# KiCad board nyx.kicad_pcb
title: Nyx; date: 2023-06-05; rev: 1; note: Copyright © 2023 HorrorTroll; note: GPL2 License
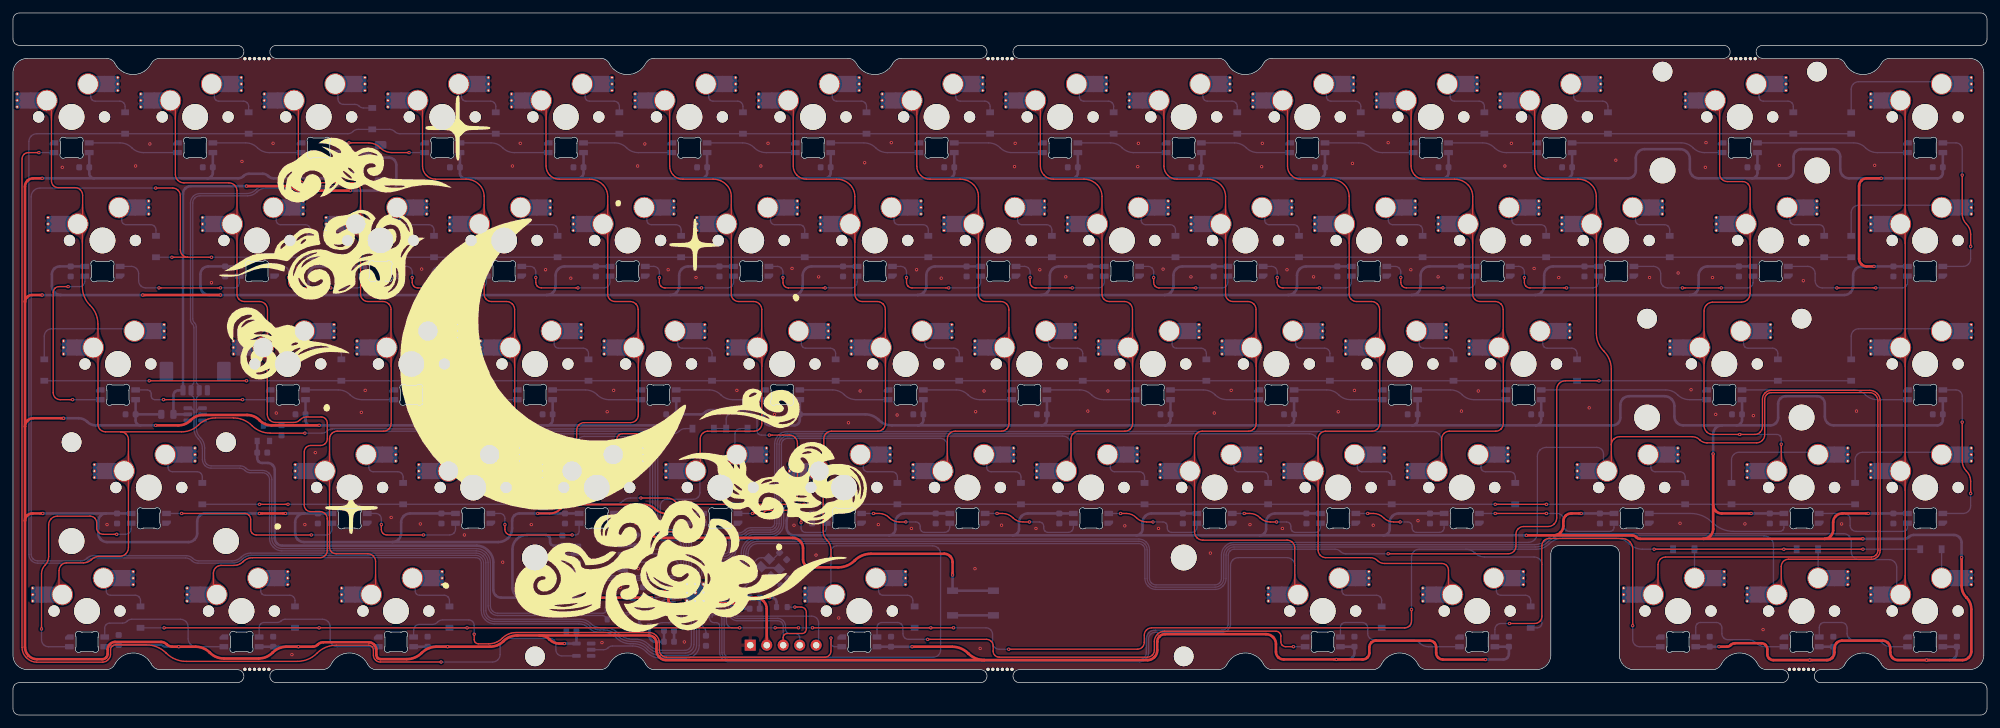
[diagram p0: board, top side]
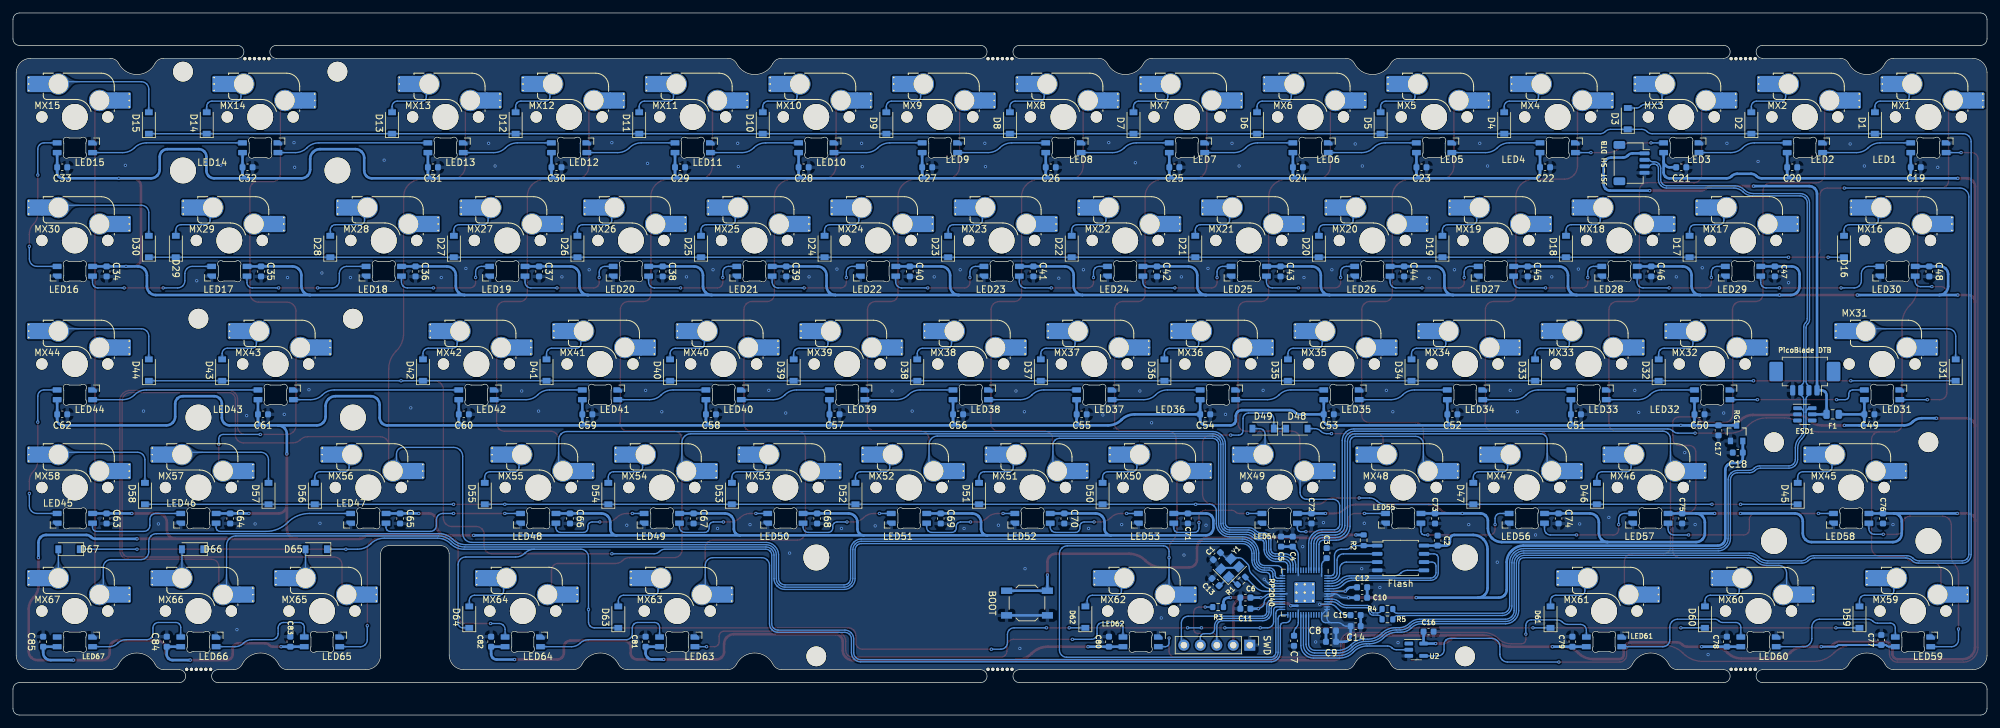
[diagram p1: board, bottom side, seen from below]

Outline 304.32 x 108.27 mm; copper layers: Top, Bottom. Coordinates in mm from the lower left corner of the outline.
Outline path: 34.6,5 1,5 arc(0.29,4.71) 0,4 0,1 arc(0.29,0.29) 1,0 303.32,0 arc(304.03,0.29) 304.32,1 304.32,4 arc(304.03,4.71) 303.32,5 278.7,5 ; 34.6,103.27 1,103.27 arc(0.29,103.57) 0,104.27 0,107.27 arc(0.29,107.98) 1,108.27 303.32,108.27 arc(304.03,107.98) 304.32,107.27 304.32,104.27 arc(304.03,103.57) 303.32,103.27 269.72,103.27 ; 34.6,101.27 22.65,101.27 arc(21.87,101.06) 21.32,100.47 arc(18.52,98.77) 15.73,100.47 arc(15.18,101.06) 14.4,101.27 2.22,101.27 arc(0.65,100.62) 0,99.05 0,9.22 arc(0.65,7.65) 2.22,7 14.4,7 arc(15.19,7.25) 15.73,7.88 arc(18.52,9.57) 21.32,7.88 arc(21.86,7.25) 22.65,7 34.6,7 ; 40.6,101.27 90.6,101.27 arc(91.38,101.06) 91.93,100.47 arc(94.72,98.77) 97.52,100.47 arc(98.07,101.06) 98.85,101.27 128.7,101.27 arc(129.48,101.06) 130.03,100.47 arc(132.83,98.77) 135.62,100.47 arc(136.17,101.06) 136.95,101.27 149.16,101.27 ; 40.6,7 47.74,7 arc(48.53,7.25) 49.07,7.88 arc(51.86,9.57) 54.66,7.88 arc(55.2,7.25) 55.99,7 90.6,7 arc(91.39,7.25) 91.93,7.88 arc(94.72,9.57) 97.52,7.88 arc(98.06,7.25) 98.85,7 149.16,7 ; 40.6,5 149.16,5 ; 149.16,103.27 40.6,103.27 ; 155.16,103.27 263.72,103.27 ; 155.16,101.27 185.85,101.27 arc(186.63,101.06) 187.18,100.47 arc(189.97,98.77) 192.77,100.47 arc(193.32,101.06) 194.1,101.27 263.72,101.27 ; 155.16,7 185.85,7 arc(186.64,7.25) 187.18,7.88 arc(189.97,9.57) 192.77,7.88 arc(193.31,7.25) 194.1,7 209.66,7 arc(210.45,7.25) 211,7.88 arc(213.79,9.57) 216.58,7.88 arc(217.12,7.25) 217.91,7 234.82,7 arc(236.42,7.66) 237.07,9.25 237.07,24.87 arc(237.44,25.76) 238.32,26.12 246.4,26.12 arc(247.28,25.76) 247.65,24.87 247.65,9.25 arc(248.31,7.66) 249.9,7 262.05,7 arc(262.84,7.25) 263.38,7.88 arc(266.17,9.57) 268.97,7.88 arc(269.51,7.25) 270.3,7 272.7,7 ; 155.16,5 272.7,5 ; 269.72,101.27 281.1,101.27 arc(281.88,101.06) 282.43,100.47 arc(285.23,98.77) 288.02,100.47 arc(288.57,101.06) 289.35,101.27 301.6,101.27 arc(303.17,100.62) 303.82,99.05 303.82,9.22 arc(303.17,7.65) 301.6,7 289.35,7 arc(288.56,7.25) 288.02,7.88 arc(285.23,9.57) 282.43,7.88 arc(281.89,7.25) 281.1,7 278.7,7
Stack: Top 0.035mm / dielectric 1.51mm FR4 er 4.5 / Bottom 0.035mm

## Placement (name value [footprint] x y rotation side)
C1  22p  [C_0603_1608Metric]  118.73 24.5 315 bottom
C2  100n  [C_0603_1608Metric]  84.7 26.9 90 bottom
C3  10u  [C_0603_1608Metric]  101.8 24.97 90 bottom
C4  100n  [C_0603_1608Metric]  107.03 26.75 90 bottom
C5  100n  [C_0603_1608Metric]  108.83 26.75 90 bottom
C6  100n  [C_0603_1608Metric]  114.33 18.1 0 bottom
C7  100n  [C_0603_1608Metric]  106.83 11.45 270 bottom
C8  100n  [C_0603_1608Metric]  101.13 13 0 bottom
C9  100n  [C_0603_1608Metric]  101.13 11.3 0 bottom
C10  100n  [C_0603_1608Metric]  96.33 18.1 180 bottom
C11  100n  [C_0603_1608Metric]  114.33 16.4 0 bottom
C12  100n  [C_0603_1608Metric]  96.33 19.7 180 bottom
C13  22p  [C_0603_1608Metric]  118.93 20.5 45 bottom
C14  1u  [C_0603_1608Metric]  97.33 13.7 180 bottom
C15  1u  [C_0603_1608Metric]  97.33 15.4 180 bottom
C16  100n  [C_0603_1608Metric]  86.09 12.87 180 bottom
C17  1u  [C_0603_1608Metric]  41.4 43.9 270 bottom
C18  1u  [C_0603_1608Metric]  38.43 40.47 0 bottom
C19  100n  [C_0603_1608Metric]  10.98 84.47 180 bottom
C20  100n  [C_0603_1608Metric]  30.03 84.47 180 bottom
C21  100n  [C_0603_1608Metric]  47.13 84.47 180 bottom
C22  100n  [C_0603_1608Metric]  68.13 84.47 180 bottom
C23  100n  [C_0603_1608Metric]  87.18 84.47 180 bottom
C24  100n  [C_0603_1608Metric]  106.23 84.47 180 bottom
C25  100n  [C_0603_1608Metric]  125.28 84.47 180 bottom
C26  100n  [C_0603_1608Metric]  144.33 84.47 180 bottom
C27  100n  [C_0603_1608Metric]  163.38 84.47 180 bottom
C28  100n  [C_0603_1608Metric]  182.43 84.47 180 bottom
C29  100n  [C_0603_1608Metric]  201.48 84.47 180 bottom
C30  100n  [C_0603_1608Metric]  220.53 84.47 180 bottom
C31  100n  [C_0603_1608Metric]  239.58 84.47 180 bottom
C32  100n  [C_0603_1608Metric]  268.16 84.47 180 bottom
C33  100n  [C_0603_1608Metric]  296.73 84.47 180 bottom
C34  100n  [C_0603_1608Metric]  289.89 68.41 90 bottom
C35  100n  [C_0603_1608Metric]  266.08 68.41 90 bottom
C36  100n  [C_0603_1608Metric]  242.26 68.41 90 bottom
C37  100n  [C_0603_1608Metric]  223.21 68.41 90 bottom
C38  100n  [C_0603_1608Metric]  204.16 68.41 90 bottom
C39  100n  [C_0603_1608Metric]  185.11 68.41 90 bottom
C40  100n  [C_0603_1608Metric]  166.06 68.41 90 bottom
C41  100n  [C_0603_1608Metric]  147.01 68.41 90 bottom
C42  100n  [C_0603_1608Metric]  127.96 68.41 90 bottom
C43  100n  [C_0603_1608Metric]  108.91 68.41 90 bottom
C44  100n  [C_0603_1608Metric]  89.86 68.41 90 bottom
C45  100n  [C_0603_1608Metric]  70.81 68.41 90 bottom
C46  100n  [C_0603_1608Metric]  51.76 68.41 90 bottom
C47  100n  [C_0603_1608Metric]  32.71 68.41 90 bottom
C48  100n  [C_0603_1608Metric]  8.9 68.41 90 bottom
C49  100n  [C_0603_1608Metric]  18.13 46.37 180 bottom
C50  100n  [C_0603_1608Metric]  44.32 46.37 180 bottom
C51  100n  [C_0603_1608Metric]  63.37 46.37 180 bottom
C52  100n  [C_0603_1608Metric]  82.42 46.37 180 bottom
C53  100n  [C_0603_1608Metric]  101.47 46.37 180 bottom
C54  100n  [C_0603_1608Metric]  120.52 46.37 180 bottom
C55  100n  [C_0603_1608Metric]  139.57 46.37 180 bottom
C56  100n  [C_0603_1608Metric]  158.62 46.37 180 bottom
C57  100n  [C_0603_1608Metric]  177.67 46.37 180 bottom
C58  100n  [C_0603_1608Metric]  196.72 46.37 180 bottom
C59  100n  [C_0603_1608Metric]  215.77 46.37 180 bottom
C60  100n  [C_0603_1608Metric]  234.82 46.37 180 bottom
C61  100n  [C_0603_1608Metric]  265.78 46.37 180 bottom
C62  100n  [C_0603_1608Metric]  296.73 46.37 180 bottom
C63  100n  [C_0603_1608Metric]  289.89 30.31 90 bottom
C64  100n  [C_0603_1608Metric]  270.84 30.31 90 bottom
C65  100n  [C_0603_1608Metric]  244.64 30.31 90 bottom
C66  100n  [C_0603_1608Metric]  218.45 30.31 90 bottom
C67  100n  [C_0603_1608Metric]  199.4 30.31 90 bottom
C68  100n  [C_0603_1608Metric]  180.35 30.31 90 bottom
C69  100n  [C_0603_1608Metric]  161.3 30.31 90 bottom
C70  100n  [C_0603_1608Metric]  142.25 30.31 90 bottom
C71  100n  [C_0603_1608Metric]  123.2 30.31 90 bottom
C72  100n  [C_0603_1608Metric]  104.15 30.31 90 bottom
C73  100n  [C_0603_1608Metric]  85.1 30.31 90 bottom
C74  100n  [C_0603_1608Metric]  66.05 30.31 90 bottom
C75  100n  [C_0603_1608Metric]  47 30.31 90 bottom
C76  100n  [C_0603_1608Metric]  16.04 30.31 90 bottom
C77  100n  [C_0603_1608Metric]  16.3 11.57 90 bottom
C78  100n  [C_0603_1608Metric]  40.11 11.31 90 bottom
C79  100n  [C_0603_1608Metric]  63.93 11.31 90 bottom
C80  100n  [C_0603_1608Metric]  135.36 11.31 90 bottom
C81  100n  [C_0603_1608Metric]  206.8 11.31 90 bottom
C82  100n  [C_0603_1608Metric]  230.61 11.31 90 bottom
C83  100n  [C_0603_1608Metric]  261.57 11.31 90 bottom
C84  100n  [C_0603_1608Metric]  280.62 11.31 90 bottom
C85  100n  [C_0603_1608Metric]  299.67 11.31 90 bottom
D1  1N4148W  [D_SOD-123]  17.28 91.3 90 bottom
D2  1N4148W  [D_SOD-123]  36.33 91.3 90 bottom
D3  1N4148W  [D_SOD-123]  55.38 91.97 90 bottom
D4  1N4148W  [D_SOD-123]  74.43 91.3 90 bottom
D5  1N4148W  [D_SOD-123]  93.48 91.3 90 bottom
D6  1N4148W  [D_SOD-123]  112.53 91.3 90 bottom
D7  1N4148W  [D_SOD-123]  131.58 91.3 90 bottom
D8  1N4148W  [D_SOD-123]  150.63 91.3 90 bottom
D9  1N4148W  [D_SOD-123]  169.68 91.3 90 bottom
D10  1N4148W  [D_SOD-123]  188.73 91.3 90 bottom
D11  1N4148W  [D_SOD-123]  207.78 91.3 90 bottom
D12  1N4148W  [D_SOD-123]  226.83 91.3 90 bottom
D13  1N4148W  [D_SOD-123]  245.88 91.3 90 bottom
D14  1N4148W  [D_SOD-123]  274.46 91.3 90 bottom
D15  1N4148W  [D_SOD-123]  283.38 91.3 90 bottom
D16  1N4148W  [D_SOD-123]  22.04 72.25 90 bottom
D17  1N4148W  [D_SOD-123]  45.86 72.25 90 bottom
D18  1N4148W  [D_SOD-123]  64.91 72.25 90 bottom
D19  1N4148W  [D_SOD-123]  83.96 72.25 90 bottom
D20  1N4148W  [D_SOD-123]  103.01 72.25 90 bottom
D21  1N4148W  [D_SOD-123]  122.06 72.25 90 bottom
D22  1N4148W  [D_SOD-123]  141.11 72.25 90 bottom
D23  1N4148W  [D_SOD-123]  160.16 72.25 90 bottom
D24  1N4148W  [D_SOD-123]  179.21 72.25 90 bottom
D25  1N4148W  [D_SOD-123]  198.26 72.25 90 bottom
D26  1N4148W  [D_SOD-123]  217.31 72.25 90 bottom
D27  1N4148W  [D_SOD-123]  236.36 72.25 90 bottom
D28  1N4148W  [D_SOD-123]  255.41 72.25 90 bottom
D29  1N4148W  [D_SOD-123]  279.22 72.25 90 bottom
D30  1N4148W  [D_SOD-123]  283.38 72.25 90 bottom
D31  1N4148W  [D_SOD-123]  4.83 53.2 90 bottom
D32  1N4148W  [D_SOD-123]  50.62 53.2 90 bottom
D33  1N4148W  [D_SOD-123]  69.67 53.2 90 bottom
D34  1N4148W  [D_SOD-123]  88.72 53.2 90 bottom
D35  1N4148W  [D_SOD-123]  107.77 53.2 90 bottom
D36  1N4148W  [D_SOD-123]  126.82 53.2 90 bottom
D37  1N4148W  [D_SOD-123]  145.87 53.2 90 bottom
D38  1N4148W  [D_SOD-123]  164.92 53.2 90 bottom
D39  1N4148W  [D_SOD-123]  183.97 53.2 90 bottom
D40  1N4148W  [D_SOD-123]  203.02 53.2 90 bottom
D41  1N4148W  [D_SOD-123]  222.07 53.2 90 bottom
D42  1N4148W  [D_SOD-123]  241.12 53.2 90 bottom
D43  1N4148W  [D_SOD-123]  272.08 53.2 90 bottom
D44  1N4148W  [D_SOD-123]  283.38 53.2 90 bottom
D45  1N4148W  [D_SOD-123]  29.19 34.15 90 bottom
D46  1N4148W  [D_SOD-123]  60.14 34.15 90 bottom
D47  1N4148W  [D_SOD-123]  79.19 34.15 90 bottom
D48  1N4148W  [D_SOD-123]  106.4 44.17 180 bottom
D49  1N4148W  [D_SOD-123]  111.6 44.17 0 bottom
D50  1N4148W  [D_SOD-123]  136.34 34.15 90 bottom
D51  1N4148W  [D_SOD-123]  155.39 34.15 90 bottom
D52  1N4148W  [D_SOD-123]  174.44 34.15 90 bottom
D53  1N4148W  [D_SOD-123]  193.49 34.15 90 bottom
D54  1N4148W  [D_SOD-123]  212.54 34.15 90 bottom
D55  1N4148W  [D_SOD-123]  231.59 34.15 90 bottom
D56  1N4148W  [D_SOD-123]  257.79 34.15 90 bottom
D57  1N4148W  [D_SOD-123]  264.93 34.15 90 bottom
D58  1N4148W  [D_SOD-123]  283.98 34.15 90 bottom
D59  1N4148W  [D_SOD-123]  19.66 15.1 90 bottom
D60  1N4148W  [D_SOD-123]  43.48 15.1 90 bottom
D61  1N4148W  [D_SOD-123]  67.29 15.1 90 bottom
D62  1N4148W  [D_SOD-123]  139 15.1 90 bottom
D63  1N4148W  [D_SOD-123]  211 15.1 90 bottom
D64  1N4148W  [D_SOD-123]  233.98 15.1 90 bottom
D65  1N4148W  [D_SOD-123]  257.57 25.57 0 bottom
D66  1N4148W  [D_SOD-123]  276.62 25.57 0 bottom
D67  1N4148W  [D_SOD-123]  295.67 25.57 0 bottom
ESD1  SRV05-4  [SOT-23-6]  28.09 46.37 180 bottom
F1  500mA  [Fuse_0805_2012Metric]  23.8 46.37 180 bottom
G***  LOGO  [Nyx_silkscreen]  81.5 54.27 0 top
G***#2  LOGO  [Nyx_logo]  159 18.77 0 top
G***#3  LOGO  [QMK-VIA-logo-small]  163.33 20.8 180 bottom
G***#4  LOGO  [Raspberry-Pi-logo-small]  163.33 14.14 180 bottom
J1  USB DTB  [Molex_PicoBlade_53261-0471_1x04-1MP_P1.25mm_Horizontal]  28.08 52.48 0 bottom
J2  SWD Debug  [PinHeader_1x05_P2.54mm_Vertical]  113.66 10.77 270 bottom
J3  USB DTB 2  [JST_SH_SM04B-SRSS-TB_1x04-1MP_P1.00mm_Horizontal]  54.8 85.12 270 bottom
LED1  SK6812MINI-E  [LED_6028R]  9.03 87.49 0 bottom
LED2  SK6812MINI-E  [LED_6028R]  28.08 87.49 0 bottom
LED3  SK6812MINI-E  [LED_6028R]  47.13 87.49 0 bottom
LED4  SK6812MINI-E  [LED_6028R]  66.18 87.49 0 bottom
LED5  SK6812MINI-E  [LED_6028R]  85.23 87.49 0 bottom
LED6  SK6812MINI-E  [LED_6028R]  104.28 87.49 0 bottom
LED7  SK6812MINI-E  [LED_6028R]  123.33 87.49 0 bottom
LED8  SK6812MINI-E  [LED_6028R]  142.38 87.49 0 bottom
LED9  SK6812MINI-E  [LED_6028R]  161.43 87.49 0 bottom
LED10  SK6812MINI-E  [LED_6028R]  180.48 87.49 0 bottom
LED11  SK6812MINI-E  [LED_6028R]  199.53 87.49 0 bottom
LED12  SK6812MINI-E  [LED_6028R]  218.58 87.49 0 bottom
LED13  SK6812MINI-E  [LED_6028R]  237.63 87.49 0 bottom
LED14  SK6812MINI-E  [LED_6028R]  266.21 87.49 0 bottom
LED15  SK6812MINI-E  [LED_6028R]  294.78 87.49 0 bottom
LED16  SK6812MINI-E  [LED_6028R]  294.78 68.44 180 bottom
LED17  SK6812MINI-E  [LED_6028R]  270.97 68.44 180 bottom
LED18  SK6812MINI-E  [LED_6028R]  247.16 68.44 180 bottom
LED19  SK6812MINI-E  [LED_6028R]  228.11 68.44 180 bottom
LED20  SK6812MINI-E  [LED_6028R]  209.06 68.44 180 bottom
LED21  SK6812MINI-E  [LED_6028R]  190.01 68.44 180 bottom
LED22  SK6812MINI-E  [LED_6028R]  170.96 68.44 180 bottom
LED23  SK6812MINI-E  [LED_6028R]  151.91 68.44 180 bottom
LED24  SK6812MINI-E  [LED_6028R]  132.86 68.44 180 bottom
LED25  SK6812MINI-E  [LED_6028R]  113.81 68.44 180 bottom
LED26  SK6812MINI-E  [LED_6028R]  94.76 68.44 180 bottom
LED27  SK6812MINI-E  [LED_6028R]  75.71 68.44 180 bottom
LED28  SK6812MINI-E  [LED_6028R]  56.66 68.44 180 bottom
LED29  SK6812MINI-E  [LED_6028R]  37.61 68.44 180 bottom
LED30  SK6812MINI-E  [LED_6028R]  13.8 68.44 180 bottom
LED31  SK6812MINI-E  [LED_6028R]  16.18 49.39 0 bottom
LED32  SK6812MINI-E  [LED_6028R]  42.37 49.39 0 bottom
LED33  SK6812MINI-E  [LED_6028R]  61.42 49.39 0 bottom
LED34  SK6812MINI-E  [LED_6028R]  80.47 49.39 0 bottom
LED35  SK6812MINI-E  [LED_6028R]  99.52 49.39 0 bottom
LED36  SK6812MINI-E  [LED_6028R]  118.57 49.39 0 bottom
LED37  SK6812MINI-E  [LED_6028R]  137.62 49.39 0 bottom
LED38  SK6812MINI-E  [LED_6028R]  156.67 49.39 0 bottom
LED39  SK6812MINI-E  [LED_6028R]  175.72 49.39 0 bottom
LED40  SK6812MINI-E  [LED_6028R]  194.77 49.39 0 bottom
LED41  SK6812MINI-E  [LED_6028R]  213.82 49.39 0 bottom
LED42  SK6812MINI-E  [LED_6028R]  232.87 49.39 0 bottom
LED43  SK6812MINI-E  [LED_6028R]  263.83 49.39 0 bottom
LED44  SK6812MINI-E  [LED_6028R]  294.78 49.39 0 bottom
LED45  SK6812MINI-E  [LED_6028R]  294.78 30.34 180 bottom
LED46  SK6812MINI-E  [LED_6028R]  275.73 30.34 180 bottom
LED47  SK6812MINI-E  [LED_6028R]  249.54 30.34 180 bottom
LED48  SK6812MINI-E  [LED_6028R]  223.35 30.34 180 bottom
LED49  SK6812MINI-E  [LED_6028R]  204.3 30.34 180 bottom
LED50  SK6812MINI-E  [LED_6028R]  185.25 30.34 180 bottom
LED51  SK6812MINI-E  [LED_6028R]  166.2 30.34 180 bottom
LED52  SK6812MINI-E  [LED_6028R]  147.15 30.34 180 bottom
LED53  SK6812MINI-E  [LED_6028R]  128.1 30.34 180 bottom
LED54  SK6812MINI-E  [LED_6028R]  109.05 30.34 180 bottom
LED55  SK6812MINI-E  [LED_6028R]  90 30.34 180 bottom
LED56  SK6812MINI-E  [LED_6028R]  70.95 30.34 180 bottom
LED57  SK6812MINI-E  [LED_6028R]  51.9 30.34 180 bottom
LED58  SK6812MINI-E  [LED_6028R]  20.94 30.34 180 bottom
LED59  SK6812MINI-E  [LED_6028R]  11.42 11.29 0 bottom
LED60  SK6812MINI-E  [LED_6028R]  35.23 11.29 0 bottom
LED61  SK6812MINI-E  [LED_6028R]  59.04 11.29 0 bottom
LED62  SK6812MINI-E  [LED_6028R]  130.48 11.29 0 bottom
LED63  SK6812MINI-E  [LED_6028R]  201.92 11.29 0 bottom
LED64  SK6812MINI-E  [LED_6028R]  225.73 11.29 0 bottom
LED65  SK6812MINI-E  [LED_6028R]  256.68 11.29 0 bottom
LED66  SK6812MINI-E  [LED_6028R]  275.73 11.29 0 bottom
LED67  SK6812MINI-E  [LED_6028R]  294.78 11.29 0 bottom
M1  Mousebite Top  [mousebites_2mm_big_width]  37.6 101.27 270 top
M2  Mousebite Top  [mousebites_2mm_big_width]  152.16 101.27 270 top
M3  Mousebite Top  [mousebites_2mm_big_width]  266.72 101.27 270 top
M4  Mousebite Bottom  [mousebites_2mm_big_width]  37.6 7 90 top
M5  Mousebite Bottom  [mousebites_2mm_big_width]  152.16 7 90 top
M6  Mousebite Bottom  [mousebites_2mm_big_width]  275.7 7 90 top
MX1  1u  [SW_MX_HS_1u]  9.03 92.24 180 bottom
MX2  1u  [SW_MX_HS_1u]  28.08 92.24 180 bottom
MX3  1u  [SW_MX_HS_1u]  47.13 92.24 180 bottom
MX4  1u  [SW_MX_HS_1u]  66.18 92.24 180 bottom
MX5  1u  [SW_MX_HS_1u]  85.23 92.24 180 bottom
MX6  1u  [SW_MX_HS_1u]  104.28 92.24 180 bottom
MX7  1u  [SW_MX_HS_1u]  123.33 92.24 180 bottom
MX8  1u  [SW_MX_HS_1u]  142.38 92.24 180 bottom
MX9  1u  [SW_MX_HS_1u]  161.43 92.24 180 bottom
MX10  1u  [SW_MX_HS_1u]  180.48 92.24 180 bottom
MX11  1u  [SW_MX_HS_1u]  199.53 92.24 180 bottom
MX12  1u  [SW_MX_HS_1u]  218.58 92.24 180 bottom
MX13  1u  [SW_MX_HS_1u]  237.63 92.24 180 bottom
MX14  2u  [SW_MX_HS_1u]  266.21 92.24 180 bottom
MX15  1u  [SW_MX_HS_1u]  294.78 92.24 180 bottom
MX16  1.5u  [SW_MX_HS_1.5u]  13.8 73.19 180 bottom
MX17  1u  [SW_MX_HS_1u]  37.61 73.19 180 bottom
MX18  1u  [SW_MX_HS_1u]  56.66 73.19 180 bottom
MX19  1u  [SW_MX_HS_1u]  75.71 73.19 180 bottom
MX20  1u  [SW_MX_HS_1u]  94.76 73.19 180 bottom
MX21  1u  [SW_MX_HS_1u]  113.81 73.19 180 bottom
MX22  1u  [SW_MX_HS_1u]  132.86 73.19 180 bottom
MX23  1u  [SW_MX_HS_1u]  151.91 73.19 180 bottom
MX24  1u  [SW_MX_HS_1u]  170.96 73.19 180 bottom
MX25  1u  [SW_MX_HS_1u]  190.01 73.19 180 bottom
MX26  1u  [SW_MX_HS_1u]  209.06 73.19 180 bottom
MX27  1u  [SW_MX_HS_1u]  228.11 73.19 180 bottom
MX28  1u  [SW_MX_HS_1u]  247.16 73.19 180 bottom
MX29  1.5u  [SW_MX_HS_1.5u]  270.97 73.19 180 bottom
MX30  1u  [SW_MX_HS_1u]  294.78 73.19 180 bottom
MX31  1.75u  [SW_MX_HS_1.75u]  16.18 54.14 180 bottom
MX32  1u  [SW_MX_HS_1u]  42.37 54.14 180 bottom
MX33  1u  [SW_MX_HS_1u]  61.42 54.14 180 bottom
MX34  1u  [SW_MX_HS_1u]  80.47 54.14 180 bottom
MX35  1u  [SW_MX_HS_1u]  99.52 54.14 180 bottom
MX36  1u  [SW_MX_HS_1u]  118.57 54.14 180 bottom
MX37  1u  [SW_MX_HS_1u]  137.62 54.14 180 bottom
MX38  1u  [SW_MX_HS_1u]  156.67 54.14 180 bottom
MX39  1u  [SW_MX_HS_1u]  175.72 54.14 180 bottom
MX40  1u  [SW_MX_HS_1u]  194.77 54.14 180 bottom
MX41  1u  [SW_MX_HS_1u]  213.82 54.14 180 bottom
MX42  1u  [SW_MX_HS_1u]  232.87 54.14 180 bottom
MX43  2.25u  [SW_MX_HS_1u]  263.83 54.14 180 bottom
MX44  1u  [SW_MX_HS_1u]  294.78 54.14 180 bottom
MX45  2.25u  [SW_MX_HS_1u]  20.94 35.09 180 bottom
MX46  1u  [SW_MX_HS_1u]  51.9 35.09 180 bottom
MX47  1u  [SW_MX_HS_1u]  70.95 35.09 180 bottom
MX48  1u  [SW_MX_HS_1u]  90 35.09 180 bottom
MX49  1u  [SW_MX_HS_1u]  109.05 35.09 180 bottom
MX50  1u  [SW_MX_HS_1u]  128.1 35.09 180 bottom
MX51  1u  [SW_MX_HS_1u]  147.15 35.09 180 bottom
MX52  1u  [SW_MX_HS_1u]  166.2 35.09 180 bottom
MX53  1u  [SW_MX_HS_1u]  185.25 35.09 180 bottom
MX54  1u  [SW_MX_HS_1u]  204.3 35.09 180 bottom
MX55  1u  [SW_MX_HS_1u]  223.35 35.09 180 bottom
MX56  1.75u  [SW_MX_HS_1.75u]  249.54 35.09 180 bottom
MX57  1u  [SW_MX_HS_1u]  275.73 35.09 180 bottom
MX58  1u  [SW_MX_HS_1u]  294.78 35.09 180 bottom
MX59  1.25u  [SW_MX_HS_1.25u]  11.42 16.04 180 bottom
MX60  1.25u  [SW_MX_HS_1.25u]  35.23 16.04 180 bottom
MX61  1.25u  [SW_MX_HS_1.25u]  59.04 16.04 180 bottom
MX62  6.25u  [SW_MX_HS_1u]  130.48 16.04 180 bottom
MX63  1.25u  [SW_MX_HS_1.25u]  201.92 16.04 180 bottom
MX64  1.25u  [SW_MX_HS_1.25u]  225.73 16.04 180 bottom
MX65  1u  [SW_MX_HS_1u]  256.68 16.04 180 bottom
MX66  1u  [SW_MX_HS_1u]  275.73 16.04 180 bottom
MX67  1u  [SW_MX_HS_1u]  294.78 16.04 180 bottom
R1  1K  [R_0603_1608Metric]  114.93 20.7 315 bottom
R2  1K  [R_0603_1608Metric]  96.1 26.95 270 bottom
R3  10K  [R_0603_1608Metric]  118.53 16.65 0 bottom
R4  27R  [R_0603_1608Metric]  92.43 16.35 180 bottom
R5  27R  [R_0603_1608Metric]  92.43 14.75 180 bottom
RG1  -  [XC6206P332MR]  38.6 43.47 90 bottom
S1  2u  [STAB_MX_2u]  266.21 92.24 0 top
S2  2.25u  [STAB_MX_2.25u]  263.83 54.14 0 top
S3  2.25u  [STAB_MX_2.25u]  20.94 35.09 0 top
S4  6.25u  [STAB_MX_6.25u]  130.48 16.04 180 top
SW1  BOOT  [SW_SPST_TL3342]  148 17.27 0 bottom
U1  W25Q128JVS  [SOIC-8_5.23x5.23mm_P1.27mm]  90.4 24.22 180 bottom
U2  74LVC1G17  [SOT-23-5]  88 10.07 180 bottom
U3  RP2040  [RP2040-QFN-56]  105.18 18.88 270 bottom
Y1  12Mhz  [Crystal_SMD_3225-4Pin_3.2x2.5mm]  116.73 22.7 135 bottom

## Library data of the parts
C1 C13 = -: Description: Unpolarized capacitor; LCSC Part Number: C1653
C2 C4-C12 C16 C19-C85 = -: Description: Unpolarized capacitor; LCSC Part Number: C14663
C3 = -: Description: Unpolarized capacitor; LCSC Part Number: C19702
C14 C15 C17 C18 = -: Description: Unpolarized capacitor; LCSC Part Number: C15849
D1-D67 = -: Description: Diode; LCSC Part Number: C81598
ESD1 = -: Description: ESD Protection Diodes with Low Clamping Voltage, SOT-23-6; LCSC Part Number: C85364
F1 = -: Description: Resettable fuse, polymeric positive temperature coefficient; LCSC Part Number: C269104
J1 = -: Description: Generic connector, single row, 01x04, script generated (kicad-library-utils/schlib/autogen/connector/); LCSC Part Number: C2905011
J2 = -: Description: Generic connector, single row, 01x05, script generated (kicad-library-utils/schlib/autogen/connector/)
J3 = -: Description: Generic connector, single row, 01x04, script generated (kicad-library-utils/schlib/autogen/connector/)
LED1-LED67 = -: Description: Reverse mount adressable LED (WS2812 protocol); LCSC Part Number: C524051; Field5: 1
M1-M6 = -: Description: Mounting Hole without connection
MX1-MX67 = -: Description: Push button switch, normally open, two pins, 45° tilted
R1 R2 = -: Description: Resistor; LCSC Part Number: C21190
R3 = -: Description: Resistor; LCSC Part Number: C25804
R4 R5 = -: Description: Resistor; LCSC Part Number: C25190
RG1 = -: LCSC Part Number: C5446
S1-S4 = -: Description: Cherry MX-style stabilizer
U1 = -: Description: 128Mb Serial Flash Memory, Standard/Dual/Quad SPI, SOIC-8; LCSC Part Number: C97521
U2 = -: Description: Single Schmitt Buffer Gate, Low-Voltage CMOS; LCSC: C7484; LCSC Part Number: C6076
U3 = -: LCSC Part Number: C2040
Y1 = -: Description: Four pin crystal, GND on pins 2 and 4; LCSC Part Number: C9002

## Footprints (pads in the part's own frame, mm; a bottom-side part is the same pattern mirrored in y, then rotated)
C_0603_1608Metric
  rrect 0.9x0.95 smd: 1(-0.775,0) 2(0.775,0)
Crystal_SMD_3225-4Pin_3.2x2.5mm
  rect 1.4x1.2 smd: 1(-1.1,-0.85) 2(1.1,-0.85) 3(1.1,0.85) 4(-1.1,0.85)
D_SOD-123
  rect 0.9x1.2 smd: 1(-1.65,0) 2(1.65,0)
Fuse_0805_2012Metric
  rrect 0.975x1.4 smd: 1(-0.938,0) 2(0.938,0)
JST_SH_SM04B-SRSS-TB_1x04-1MP_P1.00mm_Horizontal
  rrect 0.6x1.55 smd: 1(-1.5,2) 2(-0.5,2) 3(0.5,2) 4(1.5,2)
  rrect 1.2x1.8 smd: MP(-2.8,-1.875) MP(2.8,-1.875)
LED_6028R
  rrect 1.35x0.82 smd: 1(2.725,0.75) 2(2.725,-0.75) 3(-2.725,0.75) 4(-2.725,-0.75)
Molex_PicoBlade_53261-0471_1x04-1MP_P1.25mm_Horizontal
  rrect 0.8x1.6 smd: 1(-1.875,2.4) 2(-0.625,2.4) 3(0.625,2.4) 4(1.875,2.4)
  rrect 2.1x3 smd: MP(-4.425,-0.5) MP(4.425,-0.5)
mousebites_2mm_big_width
  round 0.5 hole 0.5 unplated: (0.05,1.85) (0.05,1.11) (0.05,0.37) (0.05,-0.37) (0.05,-1.11) (0.05,-1.85)
PinHeader_1x05_P2.54mm_Vertical
  rect 1.7x1.7 hole 1: 1(0,0)
  oval 1.7x1.7 hole 1: 2(0,-2.54) 3(0,-5.08) 4(0,-7.62) 5(0,-10.16)
R_0603_1608Metric
  rrect 0.8x0.95 smd: 1(-0.825,0) 2(0.825,0)
RP2040-QFN-56
  rrect 1.084x1.084 smd: (-0.637,-0.637) (-0.637,0.637) (0.637,-0.637) (0.637,0.637)
  rrect 0.875x0.2 smd: 1(-3.438,2.6) 2(-3.438,2.2) 3(-3.438,1.8) 4(-3.438,1.4) 5(-3.438,1) 6(-3.438,0.6) 7(-3.438,0.2) 8(-3.438,-0.2) 9(-3.438,-0.6) 10(-3.438,-1) 11(-3.438,-1.4) 12(-3.438,-1.8) 13(-3.438,-2.2) 14(-3.438,-2.6) 29(3.438,-2.6) 30(3.438,-2.2) 31(3.438,-1.8) 32(3.438,-1.4) 33(3.438,-1) 34(3.438,-0.6) 35(3.438,-0.2) 36(3.438,0.2) 37(3.438,0.6) 38(3.438,1) 39(3.438,1.4) 40(3.438,1.8) 41(3.438,2.2) 42(3.438,2.6)
  rrect 0.2x0.875 smd: 15(-2.6,-3.438) 16(-2.2,-3.438) 17(-1.8,-3.438) 18(-1.4,-3.438) 19(-1,-3.438) 20(-0.6,-3.438) 21(-0.2,-3.438) 22(0.2,-3.438) 23(0.6,-3.438) 24(1,-3.438) 25(1.4,-3.438) 26(1.8,-3.438) 27(2.2,-3.438) 28(2.6,-3.438) 43(2.6,3.438) 44(2.2,3.438) 45(1.8,3.438) 46(1.4,3.438) 47(1,3.438) 48(0.6,3.438) 49(0.2,3.438) 50(-0.2,3.438) 51(-0.6,3.438) 52(-1,3.438) 53(-1.4,3.438) 54(-1.8,3.438) 55(-2.2,3.438) 56(-2.6,3.438)
  round 0.6 hole 0.35: 57(-1.275,-1.275) 57(-1.275,0) 57(-1.275,1.275) 57(0,-1.275) 57(0,0) 57(0,1.275) 57(1.275,-1.275) 57(1.275,0) 57(1.275,1.275)
  rrect 3.2x3.2 smd: 57(0,0)
SOIC-8_5.23x5.23mm_P1.27mm
  rrect 1.6x0.6 smd: 1(-3.6,1.905) 2(-3.6,0.635) 3(-3.6,-0.635) 4(-3.6,-1.905) 5(3.6,-1.905) 6(3.6,-0.635) 7(3.6,0.635) 8(3.6,1.905)
SOT-23-5
  rrect 1.325x0.6 smd: 1(-1.137,0.95) 2(-1.137,0) 3(-1.137,-0.95) 4(1.137,-0.95) 5(1.137,0.95)
SOT-23-6
  rrect 1.325x0.6 smd: 1(-1.137,0.95) 2(-1.137,0) 3(-1.137,-0.95) 4(1.137,-0.95) 5(1.137,0) 6(1.137,0.95)
STAB_MX_2.25u
  round 3.048 hole 3.048 unplated: (-11.906,6.985) (11.906,6.985)
  round 3.988 hole 3.988 unplated: (-11.906,-8.255) (11.906,-8.255)
STAB_MX_2u
  round 3.048 hole 3.048 unplated: (-11.906,6.985) (11.906,6.985)
  round 3.988 hole 3.988 unplated: (-11.906,-8.255) (11.906,-8.255)
STAB_MX_6.25u
  round 3.048 hole 3.048 unplated: (-50.006,6.985) (50.006,6.985)
  round 3.988 hole 3.988 unplated: (-50.006,-8.255) (50.006,-8.255)
SW_MX_HS_1.5u
  round 1.75 hole 1.75 unplated: (-5.08,0) (5.08,0)
  round 3.988 hole 3.988 unplated: (0,0)
  round 3.3 hole 3: 1(3.81,2.54) 2(-2.54,5.08)